# Altium PCB NBRCOR.PcbDoc (continued)
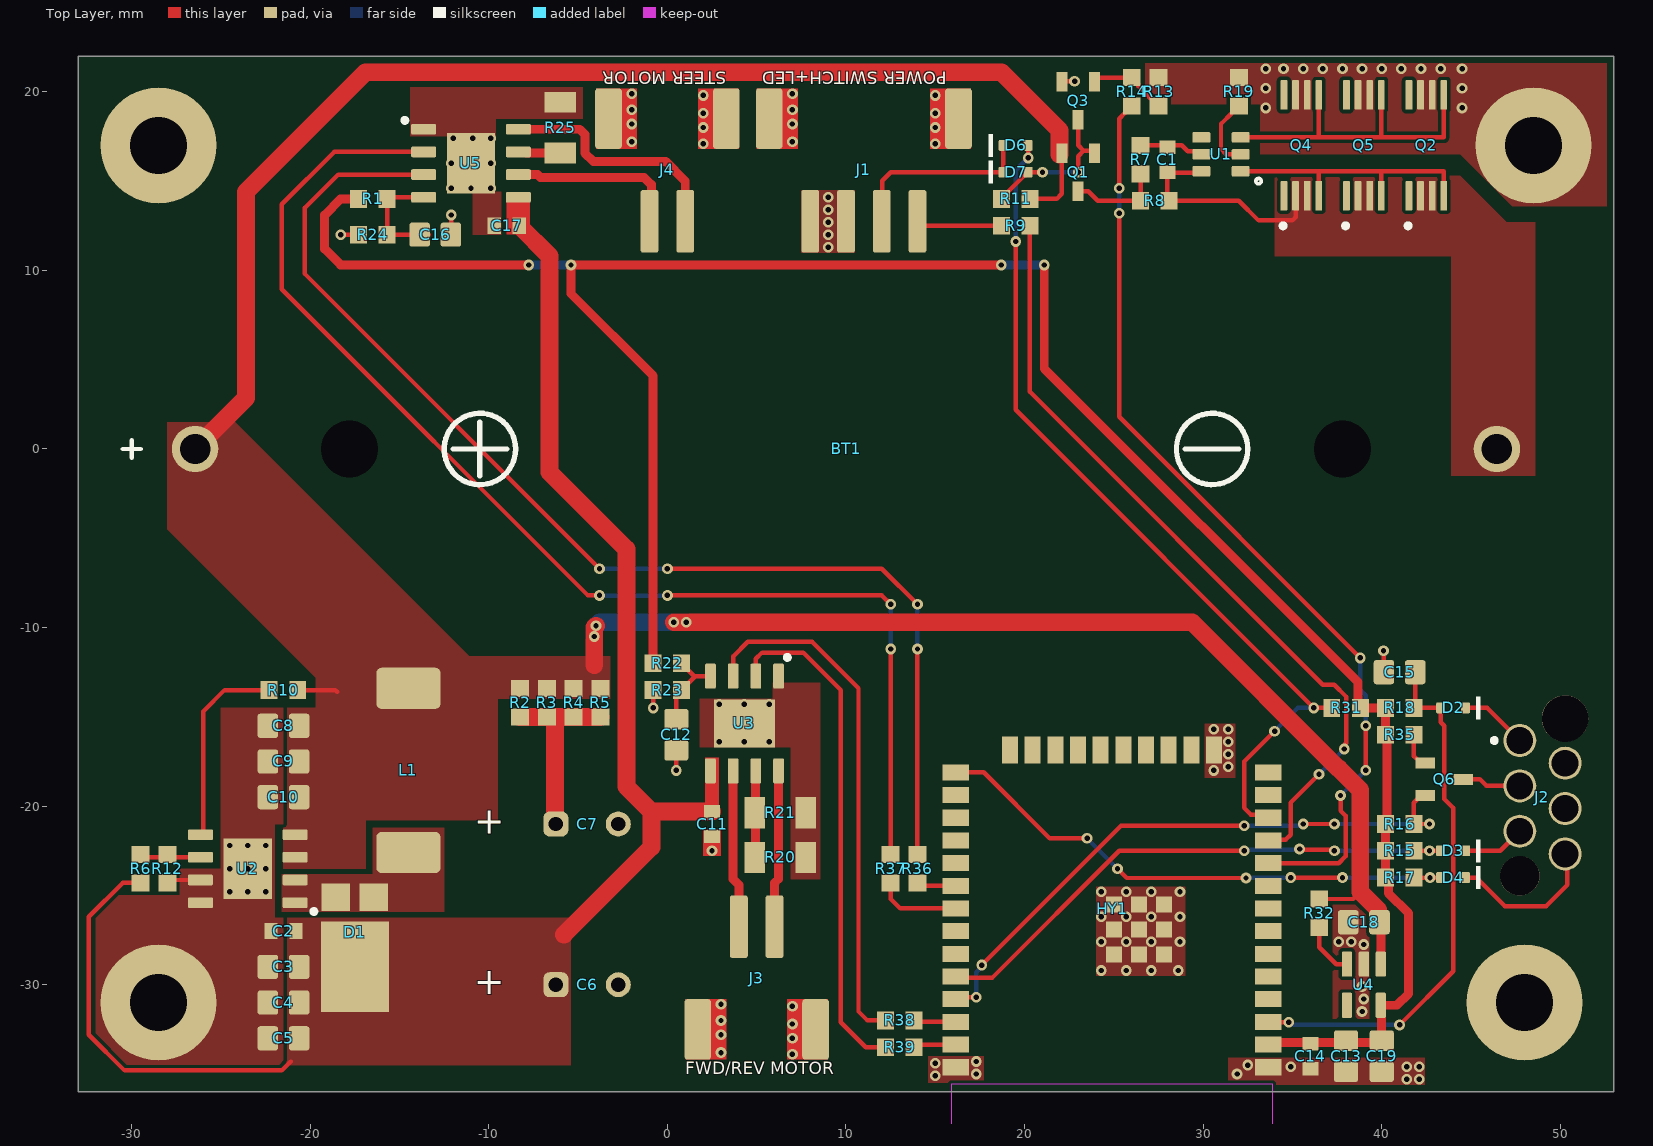
[diagram p0: Top Layer view]
## Part data
BT1: library part CMP-001-0034-6, "Battery Holder 18650 Pc Pin", JLCPCB Part #=C5383220, Max Operating Temperature=180°C, Min Operating Temperature=-40°C, ComponentLink1Description="AliExpress alternative source", ComponentLink1URL=https://www.aliexpress.com/item/33037738446.html, Mounting Technology="Through Hole,PCB", Number of Cells=1, RoHS Compliant=Yes, Series=-, Termination="PC Pin"
C1 C2 C11 C14 C17: library part CMP-072-000592-12, "WCAP-CSGP Multilayer Ceramic Chip Capacitor, General Purpose, size 0603, X7R, 100nF, 25VDC", Capacitor Type=MLCC, Case/Package=0603, Dielectric=X7R, Insulation Resistance=5GO, JLCPCB Part #=C14663, Max Operating Temperature=125°C, Min Operating Temperature=-55°C, Tolerance=10%, Voltage Rating=25V, ComponentLink1Description="Website Link", ComponentLink1URL=https://www.we-online.com/redexpert/article/885012206071?ad, ComponentLink2Description="Datasheet Link", ComponentLink2URL=https://www.we-online.com/redexpert/spec/885012206071?ad, Design Item ID=885012206071, Dissipation Factor=3.5%, Height=0.8mm, Length=1.6mm, Match Code=WCAP-CSGP, Mounting Technology=SMT, Packaging="Tape and Reel", Pins=2, Source=WCAP-CSGP.SchLib, Technical Reference=X7R0603104K025DFCT10000, Usage="General Purpose", Width=0.8mm
C3 C4 C5 C8 C9 C13 C18 C19: library part CMP-072-000663-12, "WCAP-CSGP Multilayer Ceramic Chip Capacitor, General Purpose, size 0805, X7R, 10µF, 10VDC", Capacitor Type=MLCC, Case/Package=0805, Dielectric=X7R, Insulation Resistance=0.01GO, JLCPCB Part #=C15850, Max Operating Temperature=125°C, Min Operating Temperature=-55°C, Tolerance=10%, Voltage Rating=10V, ComponentLink1Description="Website Link", ComponentLink1URL=https://www.we-online.com/redexpert/article/885012207026?ad, ComponentLink2Description="Datasheet Link", ComponentLink2URL=https://www.we-online.com/redexpert/spec/885012207026?ad, Design Item ID=885012207026, Dissipation Factor=10%, Height=1.25mm, Length=2mm, Match Code=WCAP-CSGP, Mounting Technology=SMT, Packaging="Tape and Reel", Pins=2, Source=WCAP-CSGP.SchLib, Technical Reference=X7R0805106K010DFCT10000, Usage="General Purpose", Width=1.25mm
C6 C7: library part CMP-098-000013-3, "WCAP-PTG5 Aluminum Polymer Capacitor, Radial THT, D8 x H11.5mm, 100µF, 16V", Capacitance=100µF, Capacitance Tolerance=+/-20%, Leakage Current=160µA, Manufacturer="Wurth Elektronik", Operating Temperature Max=105°C, Operating Temperature Min=-55°C, Rated Voltage (DC)=16V, Ripple Current=4800mA, Category="Aluminum Polymer Capacitors", Component Type=Standard, ComponentLink1Description="Website Link", ComponentLink1URL=https://www.we-online.com/redexpert/article/870025374001?ad, ComponentLink2Description="Datasheet Link", ComponentLink2URL=https://www.we-online.com/redexpert/spec/870025374001?ad, Design Item ID=870025374001, Diameter=8mm, Dissipation Factor=8%, Endurance=2000h, ESR=12mO, Height=11.5mm, Manufacturer Part Number=870025374001, Match Code=WCAP-PTG5, Mount="Through Hole", Packaging="Ammo Pack", Pin Count=2, Source=WCAP-PTG5.SchLib, Technical Reference=PTEE115101M016DSPA7B000
C10 C12 C15 C16: library part CMP-072-000659-13, "WCAP-CSGP Multilayer Ceramic Chip Capacitor, General Purpose, size 0805, X7R, 1µF, 10VDC", Capacitor Type=MLCC, Case/Package=0805, Dielectric=X7R, Insulation Resistance=0.5GO, JLCPCB Part #=C28323, Max Operating Temperature=125°C, Min Operating Temperature=-55°C, Tolerance=10%, Voltage Rating=10V, ComponentLink1Description="Website Link", ComponentLink1URL=https://www.we-online.com/redexpert/article/885012207022?ad, ComponentLink2Description="Datasheet Link", ComponentLink2URL=https://www.we-online.com/redexpert/spec/885012207022?ad, Design Item ID=885012207022, Dissipation Factor=5%, Height=1.25mm, Length=2mm, Match Code=WCAP-CSGP, Mounting Technology=SMT, Packaging="Tape and Reel", Pins=2, Source=WCAP-CSGP.SchLib, Technical Reference=X7R0805105K010DFCT10000, Usage="General Purpose", Width=1.25mm
D1: library part CMP-004-00051-4, "Schottky Rectifier, 45V, 10A, Sot-1289 Rohs Compliant: Yes", Case/Package="TO-277, 3-PowerFDN, SOT1289B", Forward Current=10A, Forward Voltage="540 mV @ 10 A", JLCPCB Part #=C552777, Max Reverse Voltage (DC)=45V
D2 D3 D4 D6 D7: library part CMP-004-00048-5, "VR=40V IF=200mA 20pF", Case/Package=SOD-523, Forward Current=200mA, Forward Voltage="600 mV @ 200 mA", JLCPCB Part #=C426690, Max Repetitive Reverse Voltage (Vrrm)=40V, RoHS Compliant=Yes
HY1: library part CMP-00003-5, "WiFi-Modul 802.11/BT 2, 4-2, 5GHz 150Mb/s", JLCPCB Part #=C701341
J1: library part CMP-047-000042-4, "WR-WTB SMT Male Horizontal Shrouded Header, pitch 2mm, 4p", Contact Resistance=20mOhm, JLCPCB Part #=C265102, Operating Temperature="-25 to +85degC", Rated Current=2A, Withstanding Voltage=800VAC, Working Voltage=100VAC, Component Type=Standard, ComponentLink1Description=Manufacturer, ComponentLink1URL=http://www.we-online.de, ComponentLink2Description=Datasheet, ComponentLink2URL=https://www.we-online.com/catalog/datasheet/620104131822.pdf, Design Item ID=620104131822, Gender=Male, Mounting Technology=SMT, Packaging="Tape and Reel", Part number=620104131822, Pin Count=4, Pin Number=4, Pitch=2mm, Published Date="January 2020", Publisher="Wurth Elektronik", Source=WR-WTB_2.00mm.SchLib, Type=Horizontal
J2: library part CMP-002-000028-7, "WR-WST REDFIT IDC SKEDD, pitch 2.54mm, 6pins", Contact Resistance max.=10mOhm, Operating Temperature="-25 to +105degC", Rated Current=1A, Working Voltage=100V(AC), ComponentLink1Description=Manufacturer, ComponentLink1URL=http://www.we-online.de, ComponentLink2Description=Datasheet, ComponentLink2URL=https://katalog.we-online.com/em/datasheet/490107670612.pdf, Connector Type=Cable,IDC, Contact Plating=Gold, Design Item ID=490107670612, Gender=Transition, Mounting Technology=Press-In, Packaging=Tube, Part number=490107670612, Pin Number=6, Pitch=2.54mm, Published Date="November 2019", Publisher="Wurth Elektronik", RoHS Compliant=Yes, Series="REDFIT WR-WST", Source=WR-WST.SchLib
J3 J4: library part CMP-047-000040-10, "WR-WTB SMT Male Horizontal Shrouded Header, pitch 2mm, 2p", Contact Resistance=20mOhm, JLCPCB Part #=C295747, Operating Temperature="-25 to +85degC", Rated Current=2A, Withstanding Voltage=800VAC, Working Voltage=100VAC, Component Type=Standard, ComponentLink1Description=Manufacturer, ComponentLink1URL=http://www.we-online.de, ComponentLink2Description=Datasheet, ComponentLink2URL=https://www.we-online.com/catalog/datasheet/620102131822.pdf, Design Item ID=620102131822, Gender=Male, Mounting Technology=SMT, Packaging="Tape and Reel", Part number=620102131822, Pin Count=2, Pin Number=2, Pitch=2mm, Published Date="January 2020", Publisher="Wurth Elektronik", Source=WR-WTB_2.00mm.SchLib, Type=Horizontal
L1: library part CMP-102-000031-2, "WE-HCC SMT High Current Cube Inductor, size 1090, 2.2µH, 16.5A, 4.8mO", Case/Size Code=1090, DC Resistance=4.6mO, DC Resistance Max=4.8mO, Inductance=2.2µH, Manufacturer="Wurth Elektronik", Operating Temperature Max=125°C, Operating Temperature Min=-40°C, Rated Current=16.5A, Rated Inductance=2.1µH, Saturation Current=25.6A, Self Resonant Frequency=80MHz, Category="Shielded Power Inductors", Component Type=Standard, ComponentLink1Description="Website Link", ComponentLink1URL=https://www.we-online.com/redexpert/article/7443330220?ad, ComponentLink2Description="Datasheet Link", ComponentLink2URL=https://www.we-online.com/redexpert/spec/7443330220?ad, Design Item ID=7443330220, Height=9.3mm, Length=10.9mm, Manufacturer Part Number=7443330220, Match Code=WE-HCC, Material=Ferrite, Mount="Surface Mount", Packaging="Tape and Reel", Pin Count=2, Source=WE-HCC.SchLib, Width=10mm
Q1: library part CMP-013-00056-6, "Trans Mosfet P-ch 30V 4.2A 3-PIN SOT-23 T/r", Case/Package=SOT-23-3, Id - Continuous Drain Current=4.2A, Input Capacitance=1.05nF, JLCPCB Part #=C194253, Max Operating Temperature=150°C, Max Power Dissipation=400mW, Min Operating Temperature=-55°C, Mounting Technology="Surface Mount", Packaging="Cut Tape", Rds On Max=60mR, RoHS Compliant=Yes, Series=-, Transistor Type=PMOS, Vds Max=30V, Vgs(th) (Max) @ Id="-1.3V @ 250µA"
Q2 Q4 Q5: library part CMP-013-00060-4, "Dual common drain NFET for Li-Ion protection", JLCPCB Part #=C16052
Q3 Q6: library part CMP-013-00048-11, "NPN Ic=100mA Vceo=65V hfe=200~450 P=225mW SOT-23", Case/Package=SOT-23-3, JLCPCB Part #=C82477, Ic Max=100mA, Transistor Type=NPN, Vce Max=65V
R1 R6 R8 R11 R13 R22: library part CMP-009-00275-9, "Res Thick Film 0603 27K Ohm 1% 0.1W(1/10W) ±100ppm/C Pad SMD Automotive T/R", Case/Package=0603, JLCPCB Part #=C22967, Max Power Dissipation=100mW, Tolerance=1%, Usage="General Purpose"
R2 R3 R4 R5 R10 R32 R36 R37 R38 R39: library part CMP-009-00006-21, "Chip Jumper, Thick Film, Jumper, 0603, 100mW, 1A, 0 Ohm, <50 mOhm", Case/Package=0603, Current Rating=1A, JLCPCB Part #=C21189, Max Operating Temperature=155°C, Min Operating Temperature=-55°C, Power Rating=100mW, Resistor Type="Thick Film", Tolerance="50 mOhm", Voltage Rating=75V, Elements=1, Mounting Technology=SMT, Pins=2, RoHS Compliant=True, Usage=Jumper
R7: library part CMP-009-00232-13, "Chip Resistor, Thick Film, General Purpose, 0603, 63mW, 50V, 100 Ohm, +/-1%", Case/Package=0603, JLCPCB Part #=C22775, Max Operating Temperature=155°C, Min Operating Temperature=-55°C, Power Rating=63mW, Resistor Type="Thick Film", Temperature Coefficient=100ppm/°C, Tolerance=1%, Voltage Rating=50V, Elements=1, Mounting Technology=SMT, Pins=2, RoHS Compliant=Yes, Usage="General Purpose"
R9 R14 R15 R16 R17 R18 R31 R35: library part CMP-009-00243-13, "Chip Resistor, Thick Film, General Purpose, 0603, 100mW, 50V, 3.3 kOhm, +/-1%", Case/Package=0603, JLCPCB Part #=C22978, Max Operating Temperature=155°C, Min Operating Temperature=-55°C, Power Rating=100mW, Resistor Type="Thick Film", Tolerance=1%, Voltage Rating=50V, Elements=1, Mounting Technology=SMT, Pins=2, RoHS Compliant=Yes, Usage="General Purpose"
R12: library part CMP-009-00031-22, "Chip Resistor, Thick Film, General Purpose, 0603, 100mW, 50V, 4.7 kOhm, +/-1%", Case/Package=0603, JLCPCB Part #=C23162, Max Operating Temperature=155°C, Min Operating Temperature=-55°C, Power Rating=100mW, Resistor Type="Thick Film", Tolerance=1%, Voltage Rating=50V, Elements=1, Mounting Technology=SMT, Pins=2, RoHS Compliant=True, Usage="General Purpose"
R19 R23 R24: library part CMP-009-00244-13, "Chip Resistor, Thick Film, General Purpose, 0603, 100mW, 50V, 1.2 kOhm, +/-1%", Case/Package=0603, JLCPCB Part #=C22765, Max Operating Temperature=155°C, Min Operating Temperature=-55°C, Power Rating=100mW, Resistor Type="Thick Film", Tolerance=1%, Voltage Rating=50V, Elements=1, Mounting Technology=SMT, Pins=2, RoHS Compliant=Yes, Usage="General Purpose"
R20 R21 R25: library part CMP-009-00286-3, "Res Thick Film 1206 0.1 Ohm 1% 1/2W ±100ppm/°C Molded SMD SMD Paper T/R", Case Code (Imperial)=1206, Case Code (Metric)=3216, JLCPCB Part #=C346763, Max Operating Temperature=155°C, Max Power Dissipation=500mW, Min Operating Temperature=-55°C, Resistor Type="Thick Film", Temperature Coefficient=100ppm/°C, Tolerance=1%, Case/Package=1206, Construction=Rectangular, Contact Plating=Tin,Matte, Depth=1.55mm, Height=0.026inch, Lead Free="Lead Free", Length=0.12inch, Military Standard=Not, Mounting Technology="Surface Mount", Number of Terminations=2, Packaging="Tape and Reel", Power Rating=500mW, Radiation Hardening=No, RoHS Compliant=Yes, Series=CSR, Width=0.061inch
U1: library part CMP-019-00088-5, "Li-Ion protection IC", JLCPCB Part #=C351410, Over discharge protection=2.4V
U2: library part CMP-002-001560-3, "3.3V~5V Input 24W Output Step-up DC/DC Converter"
U3 U5: library part CMP-001-0040-3, "IC DRIVER DC MOTOR 3.6A 8SOIC", JLCPCB Part #=C86590, Max Operating Temperature=125°C, Min Operating Temperature=-40°C, Operating Frequency="100 kHz", Operating Supply Current=3mA, Operating Supply Voltage=45V, Output Current=3.6A, Package Quantity=2500, Interface=PWM, Lead Free="Lead Free", Mounting Technology="Surface Mount", Number of Outputs=2, Packaging="Cut Tape", Pins=8, RoHS Compliant=Yes, Series=-, Technology=NMOS, Weight=0.003457oz
U4: library part CMP-019-00081-9, "Fixed LDO 3.3V, 1%, 1A, Iq 108uA, -40°C to 85°C", Case/Package=SOT-23-5, JLCPCB Part #=C86534, Max Input Voltage=6V, Max Operating Temperature=85°C, Min Input Voltage=4V, Min Operating Temperature=-40°C, Output Current=1A, Output Voltage=3.3V, Quiescent Current=108uA, Accuracy=1%, Mount=SMT, Number of Outputs=1, Number of Regulators=1, Output Type=Fixed

## Free pads (board coordinates)
  round 6.5 hole 3.2: 0(-28.5,17) 1(48.5,17) 2(-28.5,-31) 3(48,-31)

## Via types
v1: diameter 0.6, hole 0.3, Top Layer to Bottom Layer, tented both sides, 161 vias

## Nets (pads, with @x,y where several pads share a name; then routed paths per layer and width w, separated by ;. In a path a pad name is that pad's centre, name@x,y a point inside that pad or via, vN(x,y) a via of type N, cw(c..) or ccw(c..) an arc to the next point about the centre after c; other vN are vias at no path point)
+3V3: C13.2 C14.2 C19.1 HY1.2 R1.2 R15.2 R16.2 R17.2 R18.2 R22.2 R31.1 R35.2 U4.5 | length 129.4
  Top Layer w0.5: R1.2 -18.3,14 -19.2,13.1 -19.2,11.2 -18.305,10.305 v1(-7.759,10.305) ; R22.2 -0.8,4.1 -5.4,8.7 v1(-5.4,10.3) v1(18.7,10.3) ; v1(21.1,10.3) 21.1,4.5 38.675,-13.075 38.675,-14.375 R31.1 R18.2 R35.2 40.284,-16.084 40.284,-20.916 R16.2 R15.2 R17.2 40.368,-24.168 40.368,-24.868 41.5,-26 41.5,-30.5 40.849,-31.151 U4.5 39.975,-31.176 39.975,-33.1 C19.1 39.887,-33.238 33.763,-33.238 HY1.2
  Bottom Layer w0.5: v1(-7.759,10.305) -5.405,10.305 v1(-5.4,10.3) ; v1(18.7,10.3) v1(21.1,10.3)
+8.4V: C2.1 C3.2 C4.2 C5.2 C6.1 C11.2 C17.2 D1.1 R6.2 U3.5 U5.5 | length 72.9
  Top Layer w0.25: R6.2 -30.5,-24.3 -32.4,-26.2 -32.4,-32.8 -30.4,-34.8 -21.6,-34.8 -21.1,-34.3
  Top Layer w0.5: U5.5 -8.3,14.045 C17.2 ; U3.5 U3.5@2.456,-18.067 ; 2.456,-19.9 2.456,-20.256 C11.2
  Top Layer w1: C17.2 -6.6,10.8 -6.6,-1.3 -2.3,-5.6 -2.3,-18.9 -0.9,-20.3 ; -5.8,-27.2 -0.9,-22.3 -0.9,-20.3 ; C11.2 -0.9,-20.3
BOOTSEL: D4.2 HY1.25 R17.1 | length 30.5
  Top Layer w0.25: HY1.25 17.71,-18.11 21.4,-21.8 v1(23.5,-21.8) ; v1(25.2,-23.5) 25.724,-24.024 v1(32.4,-24.024) ; v1(34.9,-24) v1(37.8,-24) ; R17.1 D4.2
  Bottom Layer w0.25: v1(23.5,-21.8) v1(25.2,-23.5) ; v1(32.4,-24.024) 32.424,-24 v1(34.9,-24) ; v1(37.8,-24) v1(42.7,-24)
GATE_OC: Q2.5 Q4.5 Q5.5 U1.3 | length 18.5
  Top Layer w0.25: U1.3 36.475,17.45 ; Q4.5 36.475,17.45 ; Q5.5 39.975,17.45 ; Q2.5 43.475,17.45 39.975,17.45 ; 36.475,17.45 39.975,17.45
GATE_OD: Q2.4 Q4.4 Q5.4 U1.1 | length 15.5
  Top Layer w0.25: U1.1 36.475,15.55 ; Q4.4 36.475,15.55 ; Q5.4 39.975,15.55 ; Q2.4 43.475,15.55 39.975,15.55 ; 36.475,15.55 39.975,15.55
GND: C2.2 C3.1 C4.1 C5.1 C6.2 C7.2 C8.1 C9.1 C10.1 C11.1 C12.2 C13.1 C14.1 C15.1 C16.2 C17.1 C18.2 C19.2 HY1.1 HY1.15 HY1.38 HY1.39.1 HY1.39.2 HY1.39.3 HY1.39.4 HY1.39.5 HY1.39.6 HY1.39.7 HY1.39.8 HY1.39.9 J1.3 J1.4 J1.MP1 J1.MP2 J2.4 J3.MP1 J3.MP2 J4.MP1 J4.MP2 pad.0 pad.1 pad.2 pad.3 Q2.6 Q2.7 Q3.2 Q4.6 Q4.7 Q5.6 Q5.7 R12.1 R13.1 R19.1 R20.1 R21.1 R23.1 R24.1 R25.1 U2.7 U2.8 U2.9 U3.1 U3.9 U4.2 U5.1 U5.9 | length 8.9
  Top Layer w0.25: R12.1 -27.835,-24.135 U2.7 ; v1(-18.3,12) R24.1 ; C16.2 -12.1,12.025 v1(-12.1,13.1) ; v1(-0.8,-14.5) R23.1 ; v1(0.5,-18) C12.2 ; v1(2.5,-22.5) C11.1 ; U3.1 U3.1@6.243,-12.7 ; Q3.2 22.115,20.6 v1(22.8,20.6) ; v1(40.1,-11.3) 40.1,-12.475 C15.1
  other v1: 41.4,-35.3 42.1,-35.3 15,-35.1 17.3,-35 31.9,-35 34.9,-34.6 41.4,-34.6 42.1,-34.6 32.5,-34.5 15,-34.4 17.3,-34.3 7,-33.9 3,-33.8 7,-33 3,-32.8 7,-32.2 3,-32 38.9,-31.5 7,-31.2 3,-31.1 39,-30.8 38.9,-30.1 24.3,-29.2 25.7,-29.2 27.1,-29.2 28.6,-29.2 39,-27.75 24.3,-27.6 25.7,-27.6 27.1,-27.6 28.7,-27.6 37.6,-27.6 38.3,-27.6 24.3,-26.2 25.7,-26.2 27.1,-26.2 28.7,-26.2 -24.5,-24.8 -23.5,-24.8 -22.5,-24.8 24.3,-24.8 25.7,-24.8 27.1,-24.8 28.7,-24.8 -24.5,-23.5 -23.5,-23.5 -22.5,-23.5 -24.5,-22.2 -23.5,-22.2 -22.5,-22.2 30.6,-18 31.4,-17.8 31.4,-17.1 2.9,-16.4 4.3,-16.4 5.7,-16.4 31.4,-16.4 30.6,-15.7 31.4,-15.7 2.9,-14.3 4.3,-14.3 5.7,-14.3 9,11.3 9,12 9,12.7 9,13.4 9,14.1 -12.1,14.6 -11,14.6 -9.9,14.6 -12.1,16 -9.9,16 2,17.1 15,17.1 -2,17.2 7,17.2 -12,17.4 -10.9,17.4 -9.9,17.4 2,18 15,18 -2,18.2 7,18.2 2,18.8 15,18.8 -2,19 7,19 33.5,19.1 44.5,19.1 2,19.8 15,19.8 -2,19.9 7,19.9 33.5,20.2 44.5,20.2 33.5,21.3 34.5,21.3 35.6,21.3 36.7,21.3 37.8,21.3 38.9,21.3 40,21.3 41.1,21.3 42.2,21.3 43.3,21.3 44.5,21.3
MOT1.IN1: R38.1 U3.3 | length 29.3
  Top Layer w0.25: U3.3 3.681,-11.619 4.5,-10.8 8.1,-10.8 10.7,-13.4 10.7,-31.5 11.2,-32 R38.1
MOT1.IN2: R39.1 U3.2 | length 28.4
  Top Layer w0.25: U3.2 4.951,-11.749 5.3,-11.4 7.6,-11.4 9.7,-13.5 9.7,-32.1 11.1,-33.5 R39.1
MOT2.IN1: R36.1 U5.3 | length 67.5
  Top Layer w0.25: U5.3 -18.435,15.365 -20.3,13.5 -20.3,9.8 v1(-3.8,-6.7) ; v1(0,-6.701) 12.001,-6.701 v1(14,-8.7) ; v1(14,-11.2) R36.1 R36.1@14.3,-22.4
  Bottom Layer w0.25: v1(-3.8,-6.7) v1(0,-6.701) ; v1(14,-11.2) v1(14,-8.7)
MOT2.IN2: R37.1 U5.2 | length 69.3
  Top Layer w0.25: U5.2 -18.665,16.635 -21.6,13.7 -21.6,8.95 -4.45,-8.2 v1(-3.8,-8.2) ; v1(0,-8.201) 12.001,-8.201 v1(12.5,-8.7) ; v1(12.5,-11.2) R37.1 R37.1@12.525,-22.7
  Bottom Layer w0.25: v1(-3.8,-8.2) -3.783,-8.217 v1@-0.017,-8.217 ; v1(12.5,-11.2) v1(12.5,-8.7)
NetBT1_2: BT1.2 C1.2 Q2.2 Q2.3 Q4.2 Q4.3 Q5.2 Q5.3 R8.2 U1.6 | length 12.3
  Top Layer w0.25: U1.6 29.825,15.475 28.075,15.475 28,15.4 28,14 R8.2 32,13.9 33.1,12.8 35,12.8 35.175,12.975 Q4.2
NetC1_1: C1.1 R7.2 U1.5 | length 3.6
  Top Layer w0.25: R7.2 28,17 28.8,17 29.135,16.665 29.735,16.665 U1.5
NetC7_1: C7.1 R2.1 R3.1 R4.1 R5.1 | length 9.9
  Top Layer w1: R2.1 -6.881,-15 R3.1 R4.1 R5.1 ; C7.1@-6.3,-20.97 -6.3,-15.532
NetC12_1: C12.1 R22.1 R23.2 U3.4 | length 4.7
  Top Layer w0.25: C12.1 0.5,-13.8 R23.2 0.8,-13.475 1.497,-12.778 1.497,-12.722 ; R22.1 0.8,-12.025 1.497,-12.722 ; U3.4 1.497,-12.722
NetC16_1: C16.1 R1.1 R24.2 U5.4 | length 6.4
  Top Layer w0.25: U5.4 -15.605,14.095 R1.1 R24.2 C16.1@-13.375,12
NetD1_2: D1.2 L1.2 U2.1 U2.2
NetD2_1: D2.1 J2.1 | length 3.8
  Top Layer w0.25: D2.1 45.905,-14.5 J2.1
NetD3_1: D3.1 J2.5 | length 3.5
  Top Layer w0.25: D3.1 46.635,-22.5 J2.5
NetD4_1: D4.1 J2.6 | length 8.6
  Top Layer w0.25: D4.1 45.3,-24 46.9,-25.6 49.2,-25.6 50.4,-24.4 50.4,-22.805 J2.6
NetD6_1: D6.1 D7.1 J1.2 | length 10.8
  Top Layer w0.25: J1.2 12.029,12.779 12.029,15.029 12.5,15.5 D7.1 D6.1
NetD7_2: D7.2 Q1.1 Q3.3 R11.1 | length 8.8
  Top Layer w0.25: R11.1 18.7,14.025 20,15.325 20.075,15.325 20.2,15.45 D7.2 v1(21,15.5) ; v1(23,15.5) 23,16.4 23.3,16.7 ; Q3.3 23,17 23.3,16.7 ; Q1.1 23.785,16.7 23.3,16.7
  Bottom Layer w0.25: v1(21,15.5) v1(23,15.5)
NetHY1_30: HY1.30 R36.2 | length 2.4
  Top Layer w0.25: R36.2@13.8,-24.5 13.84,-24.46 HY1.30
NetHY1_31: HY1.31 R37.2 | length 4.8
  Top Layer w0.25: R37.2 12.5,-25.2 13.03,-25.73 HY1.31
NetHY1_36: HY1.36 R38.2 | length 2.4
  Top Layer w0.25: R38.2 13.88,-32.08 HY1.36
NetHY1_37: HY1.37 R39.2 | length 2.4
  Top Layer w0.25: R39.2 13.95,-33.35 HY1.37
NetJ1_1: J1.1 R9.1 | length 4.8
  Top Layer w0.25: J1.1 14.25,12.5 R9.1
NetJ2_3: J2.3 Q6.3 | length 3.3
  Top Layer w0.25: Q6.3 45.5,-18.5 45.865,-18.865 J2.3
NetJ3_1: J3.1 U3.6 | length 8.9
  Top Layer w0.5: U3.6 3.681,-24.081 4,-24.4 J3.1
NetJ3_2: J3.2 U3.8 | length 8.8
  Top Layer w0.5: J3.2 6,-24.3 6.221,-24.079 U3.8
NetJ4_1: J4.1 U5.8 | length 13.4
  Top Layer w0.5: U5.8 -4.915,17.905 -4.622,17.612 -4.622,16.572 -4.15,16.1 -0.1,16.1 1,15 J4.1
NetJ4_2: J4.2 U5.6 | length 8
  Top Layer w0.5: U5.6 -7.265,15.365 -7.1,15.2 -1.3,15.2 -0.9,14.8 -0.9,14.5
NetQ1_3: Q1.3 R7.1 R8.1 | length 5.2
  Top Layer w0.25: Q1.3 23.57,14.43 24.1,13.9 24.2,13.9 R8.1 R7.1
NetQ2_1: Q2.1 Q2.8
NetQ3_1: Q3.1 R13.2 R14.1 | length 4.6
  Top Layer w0.25: Q3.1 23.915,20.8 R14.1 26.025,20.8 26.375,20.45 26.375,20.3 27.475,19.2 R13.2
NetQ4_1: Q4.1 Q4.8
NetQ5_1: Q5.1 Q5.8
NetQ6_1: Q6.1 R35.1 | length 2
  Top Layer w0.25: R35.1 41.8,-17.195 42.19,-17.585 Q6.1
NetR6_1: R6.1 R12.2 U2.6 | length 3.4
  Top Layer w0.25: R6.1 -29.335,-22.865 U2.6
NetR10_1: R10.1 U2.5 | length 11.2
  Top Layer w0.25: U2.5 -26,-21.445 -26,-14.7 -24.8,-13.5 R10.1
NetR19_2: R19.2 U1.2 | length 4.1
  Top Layer w0.25: R19.2 31.975,19.2 31.625,18.85 31.625,18.825 31,18.2 31,16.8 31.3,16.5 U1.2
NetR20_2: R20.2 R21.2 U3.7 | length 4.9
  Top Layer w0.5: R20.2 4.921,-22.842 4.921,-18.052 U3.7
NetR25_2: R25.2 U5.7 | length 2.4
  Top Layer w0.5: U5.7 -7.95,16.635 -7.89,16.575 R25.2
NetR32_2: R32.2 U4.3 | length 3
  Top Layer w0.25: R32.2 36.5,-27.9 37.449,-28.849 U4.3
PWR.LED: HY1.11 R9.2 | length 44.5
  Top Layer w0.25: R9.2 20.3,3.2 36.7,-13.2 37.335,-13.2 38,-13.865 38,-16.479 37.967,-16.512 37.967,-16.733 v1(37.9,-16.8) ; HY1.11 33.699,-21.871 34.629,-21.871 34.9,-21.6 34.9,-19.8 v1(36.486,-18.214)
  Bottom Layer w0.25: v1(36.486,-18.214) v1(37.9,-16.8)
PWR.PWREN: HY1.10 R14.2 | length 53.3
  Top Layer w0.25: v1(25.3,13.2) 25.3,1.8 v1(38.8,-11.7) ; v1(25.3,14.6) 25.3,18.5 25.625,18.825 25.625,18.85 25.975,19.2 R14.2 ; HY1.10 37.585,-23.19 37.975,-22.8 37.975,-20.538 37.693,-20.256 v1(37.693,-19.407) ; v1(39.1,-15.5) 39.104,-15.504 39.104,-17.989 v1(39.107,-17.993)
  Bottom Layer w0.25: v1(25.3,13.2) v1(25.3,14.6) ; v1(37.693,-19.407) v1(39.107,-17.993) v1@39.2,-17.9 ; v1(38.8,-11.7) 38.8,-13.495 39.1,-13.795 v1(39.1,-15.5)
PWR.SWITCH: D6.2 HY1.12 R31.2 | length 49
  Top Layer w0.25: v1(19.5,11.62) 19.5,2.2 v1(36.2,-14.5) R31.2 ; v1(20.2,16.3) D6.2 ; HY1.12 33.471,-20.471 32.671,-20.471 32.3,-20.1 32.3,-17.5 v1(34,-15.8)
  Bottom Layer w0.25: v1(19.5,11.62) 19.5,15.6 v1(20.2,16.3) ; v1(34,-15.8) 35.3,-14.5 v1(36.2,-14.5)
RST: C15.2 D2.2 HY1.3 R18.1 | length 30.2
  Top Layer w0.25: HY1.3 33.67,-32.1 v1(34.8,-32.1) ; v1(41,-32.25) 44,-29.25 44,-20.1 43.5,-19.6 43.5,-15.5 43.3,-15.3 D2.2 R18.1 41.875,-14.425 C15.2
  Bottom Layer w0.25: v1(34.8,-32.1) 34.895,-32.1 35.045,-32.25 v1(41,-32.25)
UART.RX: D3.2 HY1.34 R15.1 | length 31.1
  Top Layer w0.25: HY1.34 16.21,-29.6 18.2,-29.6 25.3,-22.5 v1(32.3,-22.5) ; v1(35.4,-22.4) 35.45,-22.45 37.3,-22.45 v1(37.35,-22.5) ; R15.1 v1(42.675,-22.5) D3.2
  Bottom Layer w0.25: v1(32.3,-22.5) 32.35,-22.45 35.35,-22.45 v1(35.4,-22.4) ; v1(37.35,-22.5) v1(42.675,-22.5)
UART.TX: HY1.35 Q6.2 R16.1 | length 34.3
  Top Layer w0.25: HY1.35 16.26,-30.7 v1(17.3,-30.7) ; v1(17.6,-28.9) 25.4,-21.1 v1(32.3,-21.1) ; v1(35.6,-21) v1(37.35,-21) ; Q6.2 42.19,-19.415 41.8,-19.805 R16.1 v1(42.675,-21)
  Bottom Layer w0.25: v1(17.3,-30.7) 17.3,-29.295 17.6,-28.995 v1(17.6,-28.9) ; v1(32.3,-21.1) 35.405,-21.1 35.505,-21 v1(35.6,-21) ; v1(37.35,-21) v1(42.675,-21)
VBAT: BT1.1 C8.2 C9.2 C10.2 C18.1 L1.1 Q1.2 R2.2 R3.2 R4.2 R5.2 R10.2 R11.2 R32.1 U2.3 U2.4 U4.1 | length 136
  Top Layer w0.25: R10.2 -18.6,-13.5 -18.5,-13.6 ; R11.2 21.8,14 22.085,14.285 Q1.2@22.085,16.488 ; R32.1 38.4,-25.2 38.8,-24.8
  Top Layer w0.5: U4.1 C18.1@39.95,-26.5
  Top Layer w1: BT1.1 -23.6,2.85 -23.6,14.4 -16.9,21.1 18.7,21.1 21.964,17.836 Q1.2@21.964,16.488 ; -4.1,-12.1 -4.1,-10 v1(-4,-9.9) ; v1(0.356,-9.7) v1(1.062,-9.7) 29.386,-9.7 37.586,-17.9 37.6,-17.9 38.8,-19.1 38.8,-24.8 39.8,-25.8 39.8,-26.35 C18.1@39.95,-26.5
  Bottom Layer w1: v1(-4.1,-10.5) -4.1,-10 -3.9,-9.8 -3.8,-9.7 v1(0.356,-9.7) v1(1.062,-9.7)
pads on no net: BT1.3 BT1.4 HY1.4 HY1.5 HY1.6 HY1.7 HY1.8 HY1.9 HY1.13 HY1.14 HY1.16 HY1.17 HY1.18 HY1.19 HY1.20 HY1.21 HY1.22 HY1.23 HY1.24 HY1.26 HY1.27 HY1.28 HY1.29 HY1.32 HY1.33 J2.2 J2.MH1 J2.MH2 U1.4 U4.4

## Polygon pours and split planes (outlines as drawn)
GND on Top Layer "NONET_L-01_P-001" (solid, remove dead copper, pour order 1): -21.5,-14.5 -21.5,-21 -22,-21 -22,-26.25 -21.5,-26.25 -21.5,-34.5 -32,-34.5 -32,-25 -27.3,-25 -27.3,-23.5 -25,-23.5 -25,-20.25 -25,-14.5
VBAT on Top Layer "NONET_L-01_P-001" (solid, remove dead copper, pour order 2): -19.7,-12.8 -28,-4.5 -28,1.5 -24.2,1.5 -11.1,-11.6 -3.2,-11.6 -3.2,-14 -9.5,-14 -9.5,-20.8 -16.9,-20.8 -16.9,-23.5 -21.5,-23.5 -21.5,-14.5 -19.7,-14.5
GND on Top Layer "NONET_L-01_P-001" (solid, remove dead copper, pour order 13): 44.5,16.4 44.4,16.5 33.2,16.5 33.2,19.3 26.75,19.3 26.75,21.9 52.9,21.9 52.9,13.6 47.3,13.6
NetD1_2 on Top Layer "NONET_L-01_P-001" (solid, remove dead copper, pour order 0): -21.6,-23.8 -16.5,-23.8 -16.5,-21.2 -12.5,-21.2 -12.5,-25.9 -21.6,-25.9
GND on Top Layer "GND_L01_P022" (solid, remove dead copper, pour order 22): 1.5,-16.7 1.8,-16.7 1.8,-14 5.9,-14 5.9,-13.1 8.566,-13.1 8.566,-24.1 6.9,-24.1 6.9,-16.7
GND on Top Layer "GND_L01_P021" (solid, remove dead copper, pour order 21): -10.9,14.4 -10.9,12 -9.3,12 -9.3,14.4
GND on Top Layer "GND_L01_P020" (solid, remove dead copper, pour order 20): -14.4,17.5 -14.4,20.25 -4.75,20.25 -4.75,18.5 -9.6,18.5 -9.6,17.5
+8.4V on Top Layer "NONET_L-01_P-001" (solid, remove dead copper, pour order 3): -5.4,-26.25 -21.5,-26.25 -21.5,-34.5 -5.4,-34.5
GND on Top Layer "GND_L01_P018" (solid, remove dead copper, pour order 18): 14.6,-34 17.7,-34 17.7,-35.5 14.6,-35.5
GND on Top Layer "GND_L01_P017" (solid, remove dead copper, pour order 17): 30.1,-15.4 30.1,-18.4 31.8,-18.4 31.8,-15.4
GND on Top Layer "GND_L01_P016" (solid, remove dead copper, pour order 16): 37.25,-25.5 37.25,-31.9 39.3,-31.9 39.3,-25.5
GND on Top Layer "GND_L01_P015" (solid, remove dead copper, pour order 15): 7.5,14.5 7.5,11 10.5,11 10.5,14.5
NetBT1_2 on Top Layer "NONET_L-01_P-001" (solid, remove dead copper, pour order 12): 44.4,15.3 47,12.7 48.6,12.7 48.6,-1.5 43.9,-1.5 43.9,10.8 34,10.8 34,15.3
GND on Top Layer "NONET_L-01_P-001" (solid, pour order 11): 31.4,-34.1 42.4,-34.1 42.4,-36 31.4,-36
GND on Top Layer "NONET_L-01_P-001" (solid, pour order 10): 24,-24.5 24,-29.5 29,-29.5 29,-24.5
GND on Bottom Layer "GND_L02_P019" (solid, remove dead copper, pour order 19): -33,-36 -33,22 53,22 53,-36

## Other copper
Top Layer:
  rectangle net GND: 2,-22.8 3,-21.3
  rectangle net +8.4V: 2.116,-20.6 2.9,-17.272
  rectangle net +8.4V: -9,12 -7.7,14.3
  region net GND: 17,20.2 14.7,20.2 14.7,16.8 17,16.8
  rectangle net GND: 5,16.8 7.3,20.2
  region net GND: 4,20.2 1.7,20.2 1.7,16.8 4,16.8
  rectangle net GND: -4,16.8 -1.7,20.2
  region net GND: 9,-30.8 6.7,-30.8 6.7,-34.2 9,-34.2
  rectangle net GND: 1,-34.2 3.3,-30.8

## Silkscreen, mask and mechanical layers (free items; w line width, h text height)
Top Overlay:
  text "STEER MOTOR" at 3.298,21.382 h1.2 r180
  text "POWER SWITCH+LED" at 15.643,21.382 h1.2 r180
  text "FWD/REV MOTOR" at 1.001,-35.273 h1.2
Bottom Overlay:
  text ".board_name" at 33,18 h2.5
  text ".project_revision" at 33,15 h2.5
Board:
  the board outline again, w0.1

## Dimensions
-33,22 to 53,22 on Dimensions
-33,-36 to -33,22 on Dimensions

## Text inside footprints (layer, text, board x,y; h text height)
C6: Top Overlay "+" at -9.1,-29.25 h1.5 r180
C7: Top Overlay "+" at -9.1,-20.25 h1.5 r180